# KiCad board Plume.kicad_pcb (continued)
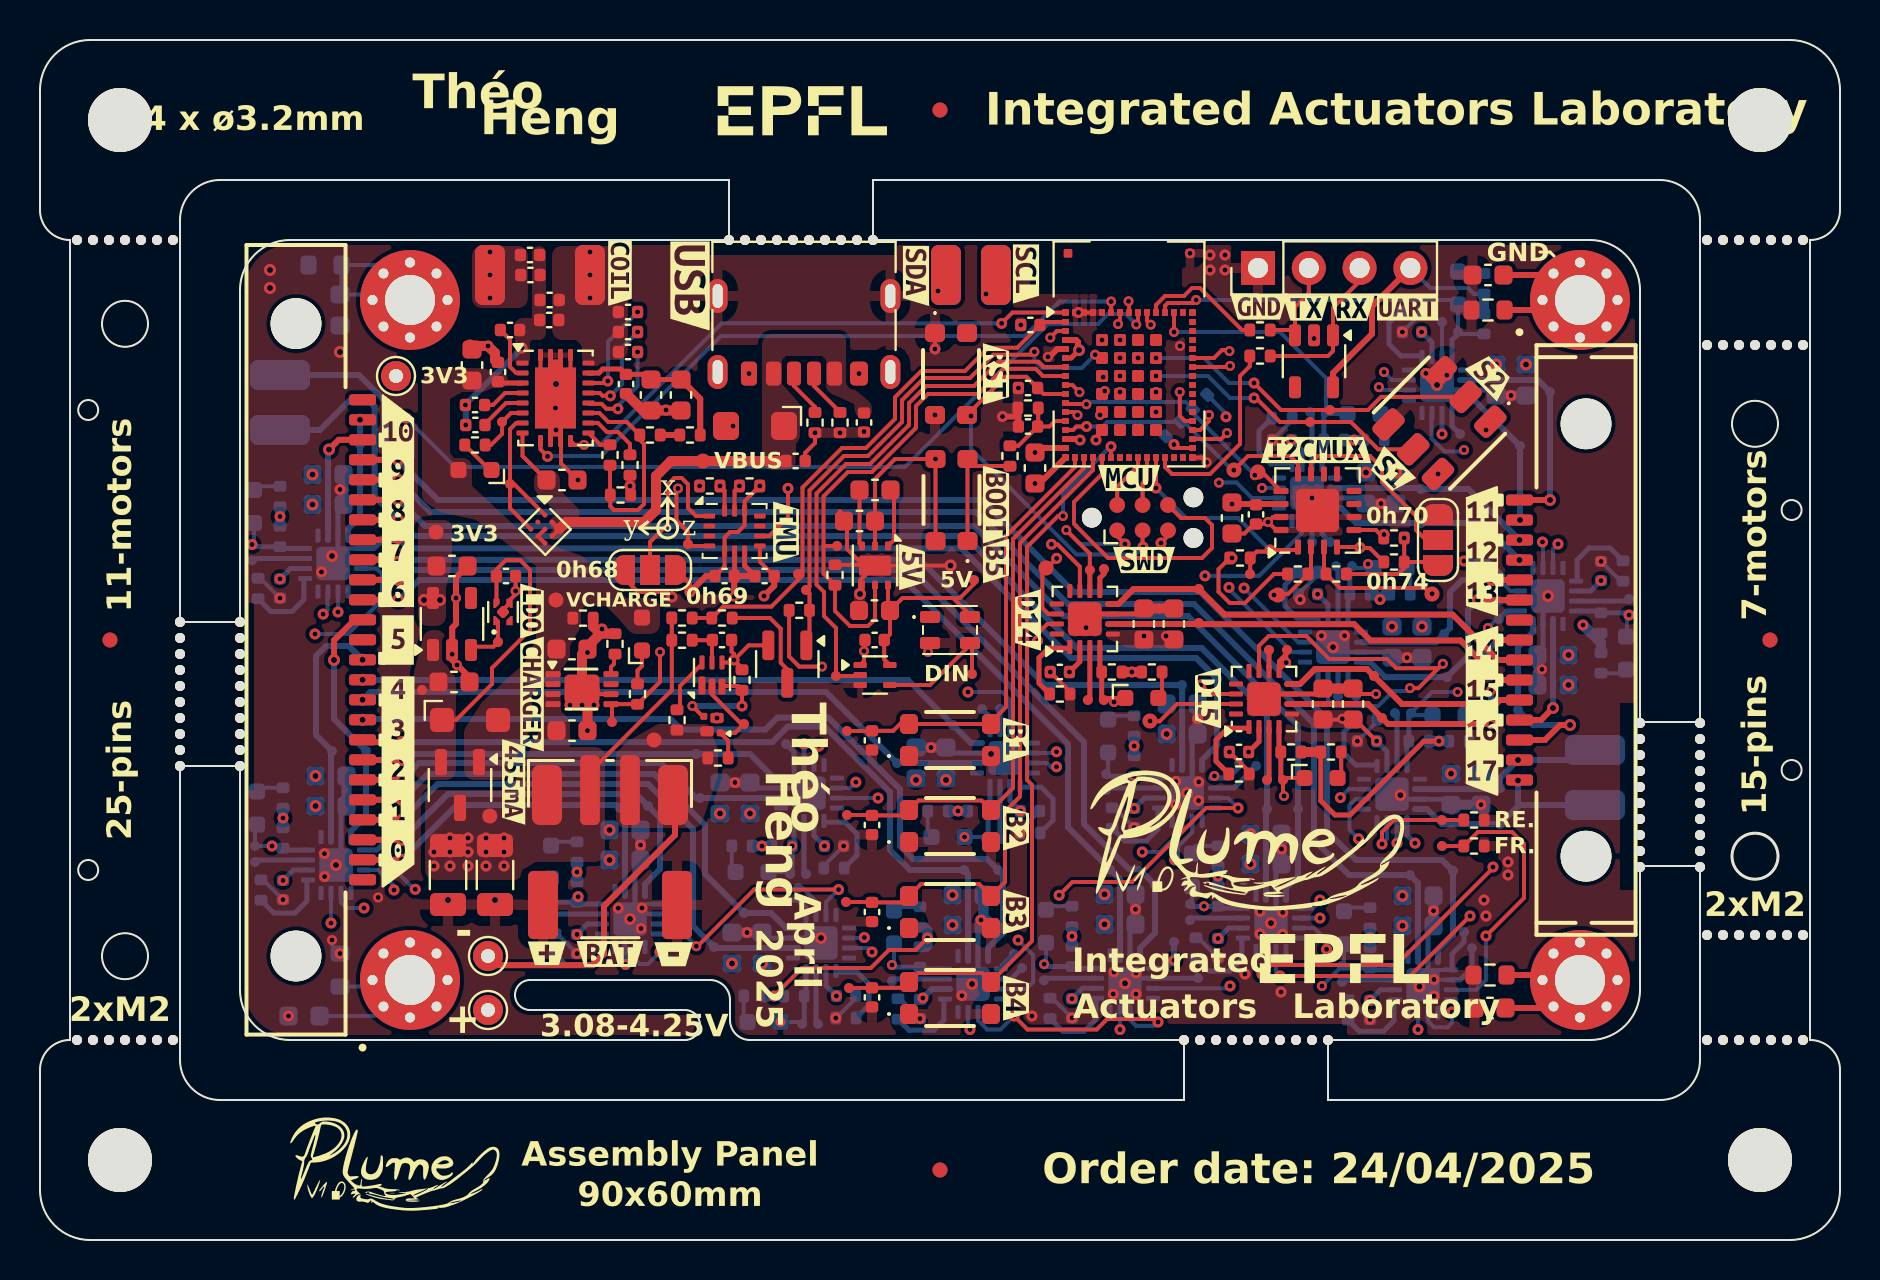
[diagram p0: board, top side]
## Routing (per net, layer and track width the routed paths; a pad name or vN(x,y) marks a point on that pad's centre or on a via; arc(x,y) is an arc through that point) (continued)
/Project Architecture/Misc - Mounting Holes & Fiducials/HOLE2: length 8.3
  L1 (Sig, PWR) w0.3: R3002.1 76.5,46.5 H3002.1 75.75,48.25 C3002.1
/Project Architecture/Misc - Mounting Holes & Fiducials/HOLE3: length 8.1
  L1 (Sig, PWR) w0.3: C3003.1 75.6,11.6 H3003.1 76.75,13.25 R3003.1
/Project Architecture/Misc - Mounting Holes & Fiducials/HOLE4: length 8.9
  L8 (Sig, PWR) w0.2: C3004.1 16.7,11.2 H3004.1 18.17,12.67 R3004.1
/Project Architecture/Motor Control - Drivers/Motor Control - Driver 0/FAULT_LED: length 1.4
  L8 (Sig, PWR) w0.2: R1202.2 25.74,19.91 LED1201.2
/Project Architecture/Motor Control - Drivers/Motor Control - Driver 0/RC_OUT: length 2.6
  L8 (Sig, PWR) w0.25: TP1202.1 25.55,16.3 28.04,16.3
/Project Architecture/Motor Control - Drivers/Motor Control - Driver 1/A0: length 1.8
  L8 (Sig, PWR) w0.2: 38.8,16.31 38.8,16.93 38.13,17.6 TP1305.1
/Project Architecture/Motor Control - Drivers/Motor Control - Driver 1/FAULT_LED: length 1.4
  L8 (Sig, PWR) w0.2: R1302.2 35.19,11.08 35.37,10.9
/Project Architecture/Motor Control - Drivers/Motor Control - Driver 1/RC_OUT: length 2.6
  L8 (Sig, PWR) w0.25: 38.8,13.39 38.8,10.9 TP1302.1
/Project Architecture/Motor Control - Drivers/Motor Control - Driver 2/FAULT_LED: length 1.4
  L8 (Sig, PWR) w0.2: 34.77,18.4 34.59,18.58 R1402.2
/Project Architecture/Motor Control - Drivers/Motor Control - Driver 2/RC_OUT: length 2.6
  L8 (Sig, PWR) w0.25: TP1402.1 38.2,18.4 38.2,20.89
/Project Architecture/Motor Control - Drivers/Motor Control - Driver 3/A1: length 1.1
  L8 (Sig, PWR) w0.25: 48.8,14.3 TP1506.1 48.11,13.71 48.11,13.55
/Project Architecture/Motor Control - Drivers/Motor Control - Driver 3/FAULT_LED: length 1.4
  L8 (Sig, PWR) w0.2: R1502.2 42.88,16.66 42.7,16.48
/Project Architecture/Motor Control - Drivers/Motor Control - Driver 3/RC_OUT: length 2.6
  L8 (Sig, PWR) w0.25: 45.19,13.05 42.7,13.05 TP1502.1
/Project Architecture/Motor Control - Drivers/Motor Control - Driver 4/A0: length 1
  L8 (Sig, PWR) w0.25: 48,25.56 TP1605.1
/Project Architecture/Motor Control - Drivers/Motor Control - Driver 4/A1: length 1.2
  L8 (Sig, PWR) w0.25: 47.5,25.56 47.5,26.15 TP1606.1
/Project Architecture/Motor Control - Drivers/Motor Control - Driver 4/FAULT_LED: length 1.4
  L8 (Sig, PWR) w0.2: LED1601.2 44.39,20.33 R1602.2
/Project Architecture/Motor Control - Drivers/Motor Control - Driver 4/RC_OUT: length 2.6
  L8 (Sig, PWR) w0.25: TP1602.1 48,20.15 48,22.64
/Project Architecture/Motor Control - Drivers/Motor Control - Driver 5/A1: length 1.2
  L8 (Sig, PWR) w0.25: TP1706.1 16.85,19.5 16.26,19.5
/Project Architecture/Motor Control - Drivers/Motor Control - Driver 5/FAULT_LED: length 1.4
  L8 (Sig, PWR) w0.2: 10.85,22.43 11.03,22.61 R1702.2
/Project Architecture/Motor Control - Drivers/Motor Control - Driver 5/RC_OUT: length 2.6
  L8 (Sig, PWR) w0.25: 13.34,19 10.85,19 TP1702.1
/Project Architecture/Motor Control - Drivers/Motor Control - Driver 6/FAULT_LED: length 1.4
  L8 (Sig, PWR) w0.2: LED1801.2 50.48,16.69 R1802.2
/Project Architecture/Motor Control - Drivers/Motor Control - Driver 6/RC_OUT: length 2.6
  L8 (Sig, PWR) w0.25: 52.79,13.08 50.3,13.08 TP1802.1
/Project Architecture/Motor Control - Drivers/Motor Control - Driver 7/A0: length 2.4
  L8 (Sig, PWR) w0.25: 58.81,22.6 59.7,22.6 TP1905.1
/Project Architecture/Motor Control - Drivers/Motor Control - Driver 7/FAULT_LED: length 1.4
  L8 (Sig, PWR) w0.2: LED1901.2 53.59,26.21 R1902.2
/Project Architecture/Motor Control - Drivers/Motor Control - Driver 7/RC_OUT: length 2.6
  L8 (Sig, PWR) w0.25: TP1902.1 53.41,22.6 55.9,22.6
/Project Architecture/Motor Control - Drivers/Motor Control - Driver 8/FAULT_LED: length 1.4
  L8 (Sig, PWR) w0.2: 57.6,19.52 57.78,19.71 R2002.2
/Project Architecture/Motor Control - Drivers/Motor Control - Driver 8/RC_OUT: length 2.6
  L8 (Sig, PWR) w0.25: 60.09,16.1 57.6,16.1 TP2002.1
/Project Architecture/Motor Control - Drivers/Motor Control - Driver 9/FAULT_LED: length 1.4
  L8 (Sig, PWR) w0.2: R2102.2 65.38,16.62 LED2101.2
/Project Architecture/Motor Control - Drivers/Motor Control - Driver 9/RC_OUT: length 2.6
  L8 (Sig, PWR) w0.25: 67.69,13.01 65.2,13.01 TP2102.1
/Project Architecture/Motor Control - Drivers/Motor Control - Driver 10/A0: length 1
  L8 (Sig, PWR) w0.25: 16.11,34.08 TP2205.1
/Project Architecture/Motor Control - Drivers/Motor Control - Driver 10/FAULT_LED: length 1.4
  L8 (Sig, PWR) w0.2: R2202.2 10.88,37.69 LED2201.2
/Project Architecture/Motor Control - Drivers/Motor Control - Driver 10/RC_OUT: length 2.6
  L8 (Sig, PWR) w0.25: 13.19,34.08 10.7,34.08 TP2202.1
/Project Architecture/Motor Control - Drivers/Motor Control - Driver 11/FAULT_LED: length 1.3
  L8 (Sig, PWR) w0.2: R2302.2 71.01,48.32 LED2301.2
/Project Architecture/Motor Control - Drivers/Motor Control - Driver 11/RC_OUT: length 1.7
  L8 (Sig, PWR) w0.2: TP2302.1 70.1,44.21
/Project Architecture/Motor Control - Drivers/Motor Control - Driver 12/A1: length 1.2
  L8 (Sig, PWR) w0.25: 64.1,35.89 64.1,35.3 TP2406.1
/Project Architecture/Motor Control - Drivers/Motor Control - Driver 12/FAULT_LED: length 1.4
  L8 (Sig, PWR) w0.2: R2402.2 67.21,41.11 67.03,41.3
/Project Architecture/Motor Control - Drivers/Motor Control - Driver 12/RC_OUT: length 2.6
  L8 (Sig, PWR) w0.25: TP2402.1 63.6,41.3 63.6,38.81
/Project Architecture/Motor Control - Drivers/Motor Control - Driver 13/A0: length 1
  L8 (Sig, PWR) w0.25: 64.9,28.18 TP2505.1
/Project Architecture/Motor Control - Drivers/Motor Control - Driver 13/A1: length 1.2
  L8 (Sig, PWR) w0.25: TP2506.1 65.4,27.59 65.4,28.18
/Project Architecture/Motor Control - Drivers/Motor Control - Driver 13/FAULT_LED: length 1.4
  L8 (Sig, PWR) w0.2: LED2501.2 68.51,33.41 R2502.2
/Project Architecture/Motor Control - Drivers/Motor Control - Driver 13/RC_OUT: length 2.6
  L8 (Sig, PWR) w0.25: TP2502.1 64.9,33.59 64.9,31.1
/Project Architecture/Motor Control - Drivers/Motor Control - Driver 14/A1: length 1.1
  L1 (Sig, PWR) w0.25: 52.99,32.51 52.99,33.1 53.2,33.31 TP2606.1
/Project Architecture/Motor Control - Drivers/Motor Control - Driver 14/FAULT_LED: length 1.4
  L1 (Sig, PWR) w0.2: LED2601.2 56.1,27.28 R2602.2
/Project Architecture/Motor Control - Drivers/Motor Control - Driver 14/RC_OUT: length 2.6
  L1 (Sig, PWR) w0.25: 52.49,29.59 52.49,27.1 TP2602.1
/Project Architecture/Motor Control - Drivers/Motor Control - Driver 15/FAULT_LED: length 1.4
  L1 (Sig, PWR) w0.2: 64.88,23.1 65.06,23.28 R2702.2
/Project Architecture/Motor Control - Drivers/Motor Control - Driver 15/RC_OUT: length 2.6
  L1 (Sig, PWR) w0.25: TP2702.1 61.45,23.1 61.45,25.59
/Project Architecture/Motor Control - Drivers/Motor Control - Driver 16/A0: length 1
  L8 (Sig, PWR) w0.25: 73.94,31.95 TP2805.1
/Project Architecture/Motor Control - Drivers/Motor Control - Driver 16/FAULT_LED: length 1.4
  L8 (Sig, PWR) w0.2: 79.35,28.52 79.16,28.34 R2802.2
/Project Architecture/Motor Control - Drivers/Motor Control - Driver 16/RC_OUT: length 2.6
  L8 (Sig, PWR) w0.25: TP2802.1 79.35,31.95 76.86,31.95
/Project Architecture/Motor Control - Drivers/Motor Control - Driver 17/FAULT_LED: length 1.4
  L8 (Sig, PWR) w0.2: 71.28,26.24 71.46,26.06 R2902.2
/Project Architecture/Motor Control - Drivers/Motor Control - Driver 17/RC_OUT: length 2.6
  L8 (Sig, PWR) w0.25: 67.85,23.75 67.85,26.24 TP2902.1
/Project Architecture/Motor Control - Drivers/OUT1_0: length 18.6
  L1 (Sig, PWR) w0.3: v3(18.1,19.01) J1101.2
  L8 (Sig, PWR) w0.3: 29.25,17.2 29.25,21.35 TP1203.1 28.85,21.75 20.84,21.75 v3(18.1,19.01)
/Project Architecture/Motor Control - Drivers/OUT1_1: length 28.8
  L1 (Sig, PWR) w0.3: v3(18.1,21.01) J1101.4
  L8 (Sig, PWR) w0.3: v3(18.1,21.01) 19.89,22.8 30.4,22.8 32.65,20.55 32.65,15.7 TP1303.1 33.7,14.6 37.9,14.6
/Project Architecture/Motor Control - Drivers/OUT1_2: length 22.2
  L1 (Sig, PWR) w0.3: v3(18.1,23.01) J1101.6
  L8 (Sig, PWR) w0.3: v3(18.1,23.01) 18.94,23.85 31.05,23.85 32.8,22.1 TP1403.1 37.3,22.1
/Project Architecture/Motor Control - Drivers/OUT1_3: length 39.8
  L1 (Sig, PWR) w0.3: v3(18.1,24.89) 16.24,24.89 J1101.8
  L8 (Sig, PWR) w0.3: TP1503.1 43.5,18.5 42.5,19.5 42.5,22.4 39.23,25.67 37.39,25.67 36.61,24.89 v3(18.1,24.89) ; TP1503.1 46.4,18.3 46.4,13.95 ; TP1503.1 46.15,18.45
/Project Architecture/Motor Control - Drivers/OUT1_4: length 32.6
  L8 (Sig, PWR) w0.3: 47.1,23.85 TP1603.1 39.3,27.4 16.52,27.4 v3(16.13,27.01)
/Project Architecture/Motor Control - Drivers/OUT1_5: length 12.5
  L8 (Sig, PWR) w0.3: 14.55,19.9 14.55,24.4 TP1703.1 13.8,25.25 13.8,29.2 14.3,29.7 15.44,29.7 v3(16.13,29.01)
/Project Architecture/Motor Control - Drivers/OUT1_6: length 51
  L1 (Sig, PWR) w0.3: v3(17.9,32.01) J1101.15
  L8 (Sig, PWR) w0.3: 54,14 54,18.03 TP1803.1 51.4,20.63 51.4,24.8 43.2,33 18.95,33 17.96,32.01 v3(17.9,32.01)
/Project Architecture/Motor Control - Drivers/OUT1_7: length 47.9
  L1 (Sig, PWR) w0.3: v3(17.9,33.9) 17.79,34.01 J1101.17
  L8 (Sig, PWR) w0.3: v3(17.9,33.9) 18.01,34.01 43.99,34.01 50.25,27.75 TP1903.1 57.11,27.74 57.11,23.5
/Project Architecture/Motor Control - Drivers/OUT1_8: length 70.2
  L1 (Sig, PWR) w0.3: v3(17.9,36.01) J1101.19
  L8 (Sig, PWR) w0.3: 61.3,17 61.3,21.5 ; TP2003.1 61.35,26.34 58.09,29.6 51.84,29.6 46.24,35.2 18.7,35.2 17.9,36 v3(17.9,36.01) 16.73,37.18 16.73,41.67 16.3,42.1 15.6,42.1 14,40.5 J1103.1
/Project Architecture/Motor Control - Drivers/OUT1_9: length 68.5
  L1 (Sig, PWR) w0.3: v3(17.9,38.01) J1101.21
  L8 (Sig, PWR) w0.3: 68.9,13.9 68.9,17.85 TP2103.1 65.45,18.25 63.7,20 63.7,25.8 57.7,31.8 51.4,31.8 46.8,36.4 19.51,36.4 v3(17.9,38.01)
/Project Architecture/Motor Control - Drivers/OUT1_10: length 6.4
  L1 (Sig, PWR) w0.3: J1101.23 14.93,40.01 v3(14.45,39.53)
  L8 (Sig, PWR) w0.3: 14.4,35 14.4,39.48 v3(14.45,39.53)
/Project Architecture/Motor Control - Drivers/OUT1_11: length 11.7
  L1 (Sig, PWR) w0.3: v3(75.5,37) J1104.1
  L8 (Sig, PWR) w0.3: v3(75.5,37) TP2303.1 74.9,43 71,43
/Project Architecture/Motor Control - Drivers/OUT1_12: length 10.6
  L8 (Sig, PWR) w0.3: 64.5,37.6 69,37.6 TP2403.1 71.42,37.55 v3(73.97,35)
/Project Architecture/Motor Control - Drivers/OUT1_13: length 10.2
  L1 (Sig, PWR) w0.3: v3(72.6,33) J1104.5
  L8 (Sig, PWR) w0.3: 66.11,29.89 69.79,29.89 TP2503.1 70.5,30.6 70.5,32.4 71.1,33 v3(72.6,33)
/Project Architecture/Motor Control - Drivers/OUT1_14: length 22.4
  L1 (Sig, PWR) w0.3: 53.4,30.8 57.89,30.8 TP2603.1 58,30.79 65.71,30.79 66.52,29.98 71.02,29.98 v2(72.26,28.74) ; v2(72.9,30) J1104.8
  L8 (Sig, PWR) w0.3: v2(72.9,30) 72.26,29.36 v2(72.26,28.74)
/Project Architecture/Motor Control - Drivers/OUT1_15: length 13.9
  L1 (Sig, PWR) w0.3: v2(72.55,27.47) 73.08,28 J1104.10 ; 62.35,26.8 66.4,26.8 TP2703.1 67.4,25.8 v2(72.55,25.8)
  L8 (Sig, PWR) w0.3: v2(72.55,25.8) v2(72.55,27.47)
/Project Architecture/Motor Control - Drivers/OUT1_16: length 6.4
  L1 (Sig, PWR) w0.3: J1104.12 75.05,26 v3(75.65,26.6)
  L8 (Sig, PWR) w0.3: v3(75.65,26.6) 75.65,31.05
/Project Architecture/Motor Control - Drivers/OUT1_17: length 10.3
  L8 (Sig, PWR) w0.3: J1106.1 77.75,24.25 77.5,24 v3(73.9,24) 73.9,24 73,23.1 73,22.61 73.01,22.6 TP2903.1 72.94,22.54 68.75,22.54
/Project Architecture/Motor Control - Drivers/OUT2_0: length 20.5
  L1 (Sig, PWR) w0.3: v3(18.1,20.01) J1101.3
  L8 (Sig, PWR) w0.3: 30.25,17.2 30.25,17.8 31,18.55 31,21.1 TP1204.1 29.8,22.3 20.39,22.3 v3(18.1,20.01)
/Project Architecture/Motor Control - Drivers/OUT2_1: length 26.9
  L1 (Sig, PWR) w0.3: v3(18.1,22.01) J1101.5
  L8 (Sig, PWR) w0.3: 37.9,15.6 37.3,15.6 36.55,16.35 TP1304.1 33.25,18.3 33.25,20.75 30.7,23.3 19.39,23.3 v3(18.1,22.01)
/Project Architecture/Motor Control - Drivers/OUT2_2: length 21.8
  L1 (Sig, PWR) w0.3: J1101.7 16.14,24 v3(18.1,24)
  L8 (Sig, PWR) w0.3: 37.3,23.1 36.7,23.1 35.5,24.3 TP1404.1 32.8,24.3 18.4,24.3 v3(18.1,24)
/Project Architecture/Motor Control - Drivers/OUT2_3: length 42
  L8 (Sig, PWR) w0.3: v3(16.13,26.01) 16.16,26.05 31.53,26.05 32.05,25.52 36.27,25.52 36.87,26.12 39.41,26.12 43,22.54 43,19.7 43.65,19.05 47.35,19.05 TP1504.1 48.15,18.25 48.15,15.35 47.4,14.6 47.4,13.95
/Project Architecture/Motor Control - Drivers/OUT2_4: length 32.3
  L8 (Sig, PWR) w0.3: 47.1,24.85 46.55,24.85 TP1604.1 43.4,28 16.14,28 v3(16.13,28.01)
/Project Architecture/Motor Control - Drivers/OUT2_5: length 12.9
  L1 (Sig, PWR) w0.3: J1101.14 15.73,31.01 14.7,29.98 v3(14.7,29)
  L8 (Sig, PWR) w0.3: v3(14.7,29) 14.7,26.05 TP1704.1 16.3,21.2 15.55,20.45 15.55,19.9
/Project Architecture/Motor Control - Drivers/OUT2_6: length 52.8
  L1 (Sig, PWR) w0.3: v3(17.9,33.01) J1101.16
  L8 (Sig, PWR) w0.3: v3(17.9,33.01) 18.39,33.5 43.6,33.5 52.2,24.9 52.2,20.8 54.47,18.53 54.97,18.53 TP1804.1 55.75,15.35 55,14.6 55,14
/Project Architecture/Motor Control - Drivers/OUT2_7: length 50.7
  L1 (Sig, PWR) w0.3: v3(17.9,35.1) 17.84,35.1 17.75,35.01 J1101.18
  L8 (Sig, PWR) w0.3: 58.11,23.5 58.11,24.01 58.86,24.76 TP1904.1 57.81,29.1 51.55,29.1 46.07,34.58 18.42,34.58 v3(17.9,35.1) 17.9,35.16 17.94,35.2 17.94,35.16
/Project Architecture/Motor Control - Drivers/OUT2_8: length 71.4
  L1 (Sig, PWR) w0.3: v3(17.9,37.01) J1101.20
  L8 (Sig, PWR) w0.3: J1102.1 15.95,43.25 17.3,41.9 17.3,39.9 17.3,37.61 v3(17.9,37.01) 17.94,37.01 19.25,35.7 46.7,35.7 51.2,31.2 57.4,31.2 62.9,25.7 TP2004.1 62.9,18.2 62.3,17.6 62.3,17
/Project Architecture/Motor Control - Drivers/OUT2_9: length 71.2
  L1 (Sig, PWR) w0.3: J1101.22 v3(17.9,39.01)
  L8 (Sig, PWR) w0.3: 69.9,13.9 69.9,14.5 70.65,15.25 TP2104.1 70.11,19 65.8,19 64.35,20.45 64.35,26.05 58,32.4 51.7,32.4 47.1,37 19.9,37 17.9,39 v3(17.9,39.01)
/Project Architecture/Motor Control - Drivers/OUT2_10: length 6.3
  L8 (Sig, PWR) w0.3: 15.4,35 15.4,35.55 16,36.15 TP2204.1 v3(16,41.01)
/Project Architecture/Motor Control - Drivers/OUT2_11: length 7.7
  L8 (Sig, PWR) w0.3: v3(74,36) TP2304.1 71.7,42 71,42
/Project Architecture/Motor Control - Drivers/OUT2_12: length 10.6
  L8 (Sig, PWR) w0.3: v3(73.97,34) 72.12,35.85 TP2404.1 65.8,35.85 65.05,36.6 64.5,36.6
/Project Architecture/Motor Control - Drivers/OUT2_13: length 11.1
  L1 (Sig, PWR) w0.3: v3(71.9,32) J1104.6
  L8 (Sig, PWR) w0.3: v3(71.9,32) 71.4,31.5 71.4,29.19 TP2504.1 67.26,28.14 66.51,28.89 66.11,28.89
/Project Architecture/Motor Control - Drivers/OUT2_14: length 22.4
  L1 (Sig, PWR) w0.3: 53.4,31.8 53.93,31.8 54.68,32.55 TP2604.1 59.22,31.27 70.63,31.27 72.9,29 J1104.9
/Project Architecture/Motor Control - Drivers/OUT2_15: length 12.9
  L1 (Sig, PWR) w0.3: J1104.11 73,27 72.8,26.8 68.1,26.8 TP2704.1 66.35,28.55 63.75,28.55 63,27.8 IC2701.8 ; 62.35,27.8 62.76,27.8
/Project Architecture/Motor Control - Drivers/OUT2_16: length 10.6
  L1 (Sig, PWR) w0.3: J1104.13 75.25,25 76,25.75 v3(76.5,25.75)
  L8 (Sig, PWR) w0.3: 74.65,31.05 74.65,30.4 73.9,29.65 TP2804.1 74.65,25.75 v3(76.5,25.75)
/Project Architecture/Motor Control - Drivers/OUT2_17: length 11.1
  L8 (Sig, PWR) w0.3: v3(73.9,22.98) 73.9,21.69 73.85,21.65 ; 68.75,21.54 69.36,21.54 70.11,20.79 TP2904.1 73.85,21.65 ; J1105.1 73.96,21.75 73.85,21.65
/Project Architecture/Power - Battery Management/BAT: length 2.2
  L1 (Sig, PWR) w0.2: R501.2 33.61,29.99 C505.2 33.6,29.98 33.6,28.85
/Project Architecture/Power - Battery Management/CHARGE_LED: length 1.8
  L1 (Sig, PWR) w0.2: R505.1 29.88,28.48 30.1,28.7 LED501.1
/Project Architecture/Power - Battery Management/COUT: length 5.4
  L1 (Sig, PWR) w0.2: R506.1 34.41,24.96 Q502.G1 34.76,25.36 TP501.1 35.07,25.8 33.6,27.28 U501.2
/Project Architecture/Power - Battery Management/DOUT: length 5.1
  L1 (Sig, PWR) w0.2: 34.1,27.7 34.89,27.7 R507.2 v1(35.1,26.7) ; Q502.G2 33.19,26.19 33.18,26.2 33.12,26.2 v2(32.62,26.7)
  L8 (Sig, PWR) w0.3: v2(32.62,26.7) v1(35.1,26.7)
/Project Architecture/Power - Battery Management/PROG: length 1.1
  L1 (Sig, PWR) w0.2: U502.8 28.55,28.65 28.7,28.8 28.7,29.24 R508.1
/Project Architecture/Power - Battery Management/V-: length 3.1
  L1 (Sig, PWR) w0.2: R504.1 32,26.66 32,27.7 33.1,28.8 33.1,29.1
/Project Architecture/Power - Wireless Receiver & USB/+VCHARGE: length 2.4
  L1 (Sig, PWR) w0.2: Q601.5 Q601.8 Q601.9
  L1 (Sig, PWR) w0.25: 22.75,43.02 22.92,42.85 U601.4
/Project Architecture/Power - Wireless Receiver & USB/AC1: length 5
  L8 (Sig, PWR) w0.2: 21.29,41.73 v1(21.27,41.75)
  L8 (Sig, PWR) w0.3: v1(24.1,44.6) 21.27,41.77 v1(21.27,41.75) ; v1(21.29,40.75) 21.29,41.73
/Project Architecture/Power - Wireless Receiver & USB/AC2:
  vias: v1(27.5,49.4) v1(27.5,48.25) v1(27.5,47.1)
/Project Architecture/Power - Wireless Receiver & USB/BOOT1: length 2.8
  L1 (Sig, PWR) w0.2: C609.1 23.5,45.02 23.5,43.66 23.81,43.35 U601.3
/Project Architecture/Power - Wireless Receiver & USB/BOOT2: length 5.1
  L1 (Sig, PWR) w0.2: v1(28.39,42.95) 28.39,42.94 28.3,42.85 U601.17
  L8 (Sig, PWR) w0.2: v1(28.39,42.95) 28.39,42.95 28.35,42.95 28.4,43 28.4,44.92 v1(29.88,46.4)
/Project Architecture/Power - Wireless Receiver & USB/CC1: length 2.5
  L1 (Sig, PWR) w0.2: J602.A5 38.7,42.7 40,41.4 R602.2
/Project Architecture/Power - Wireless Receiver & USB/CC2: length 2.4
  L1 (Sig, PWR) w0.2: J602.B5 37.7,42.7 38.75,41.65 R603.2
/Project Architecture/Power - Wireless Receiver & USB/CLAMP1: length 2.1
  L1 (Sig, PWR) w0.2: U601.5 23.25,42.35 22.65,41.75 C607.1
/Project Architecture/Power - Wireless Receiver & USB/CLAMP2: length 4.9
  L1 (Sig, PWR) w0.2: U601.16 27.99,42.35 28.13,42.21 v1(28.51,42.21)
  L8 (Sig, PWR) w0.2: v1(29.88,45.4) 29.1,44.62 29.1,42.79 v1(28.51,42.21)
/Project Architecture/Power - Wireless Receiver & USB/COIL1:
  vias: v1(22.5,49.4) v1(22.5,48.25) v1(22.5,47.1)
/Project Architecture/Power - Wireless Receiver & USB/COMM1: length 2.4
  L1 (Sig, PWR) w0.2: U601.6 23.3,41.85 22.25,40.8 C608.1
/Project Architecture/Power - Wireless Receiver & USB/COMM2: length 4.8
  L1 (Sig, PWR) w0.2: U601.15 27.47,41.81 28.08,41.81 28.32,41.56 v1(28.89,41.56)
  L8 (Sig, PWR) w0.2: v1(29.88,44.4) 29.88,42.7 28.89,41.71 v1(28.89,41.56)
/Project Architecture/Power - Wireless Receiver & USB/FOD: length 10.5
  L1 (Sig, PWR) w0.2: R604.2 28.5,37.27 R607.1 28.51,36.69 28.7,36.5 29.9,36.5 30.2,36.8 30.2,39.8 29.99,40.01 R606.2 29.34,40.9 28.42,40.9 27.97,41.35 U601.14
/Project Architecture/Power - Wireless Receiver & USB/ILIM: length 1.3
  L1 (Sig, PWR) w0.2: U601.12 28.02,39.76 R604.1
/Project Architecture/Power - Wireless Receiver & USB/RECT: length 8.1
  L1 (Sig, PWR) w0.25: C618.1 C617.1 30.29,43.28 C616.1 29.03,43.55 28.14,43.55 27.94,43.35 U601.18
  L1 (Sig, PWR) w0.3: C618.1 33.01,42.07 R605.1
/Project Architecture/Power - Wireless Receiver & USB/TS/CTRL: length 3
  L1 (Sig, PWR) w0.2: U601.13 27.9,40.85 28.35,40.4 28.9,40.4 29.5,39.8 R608.2
/Project Architecture/Power - Wireless Receiver & USB/~{AD_EN}: length 8.6
  L1 (Sig, PWR) w0.2: Q601.7 23.5,36.59 TP603.1 ; TP603.1 23.5,40.54 23.81,40.85 U601.8 ; TP603.1 23.7,37.8 Q601.1
/Project Architecture/Power - Wireless Receiver & USB/~{CHG}: length 2.9
  L1 (Sig, PWR) w0.2: R601.2 22.55,39.75 23.1,40.3 TP604.1 23.55,41.35 U601.7
/Project Architecture/Sensing - IMU/IMU_ADD: length 8.3
  L1 (Sig, PWR) w0.2: JP1001.2 30.5,34.9 31.4,35.8 31.4,35.8 31.4,37.79 31.71,38.1 32.09,38.1 32.4,37.79 32.4,36.6 32.8,36.2 U1001.1
/Project Architecture/User - RGB LED Indicator/CPUMP+: length 3
  L1 (Sig, PWR) w0.2: C901.1 42.7,37.33 42.7,35 IC902.1
/Project Architecture/User - RGB LED Indicator/CPUMP-: length 2.9
  L1 (Sig, PWR) w0.2: IC902.3 40.97,34.83 C901.2
/Project Architecture/User - RGB LED Indicator/DIN_5V: length 6.5
  L1 (Sig, PWR) w0.2: TP903.1 46.6,29.85 44.5,27.75 IC901.4
Net-(IC1201-IPROPI): length 3.8
  L8 (Sig, PWR) w0.25: R1201.1 26.28,13.76 27.56,13.76 28.04,14.24 28.04,15.3
Net-(IC1301-IPROPI): length 3.9
  L8 (Sig, PWR) w0.25: 39.8,13.39 40.86,13.39 41.45,12.8 41.45,11.74 R1301.1
Net-(IC1401-IPROPI): length 3.9
  L8 (Sig, PWR) w0.25: R1401.1 40.85,19.24 40.85,20.3 40.26,20.89 39.2,20.89
Net-(IC1501-IPROPI): length 3.8
  L8 (Sig, PWR) w0.25: 45.19,12.05 45.19,10.99 44.69,10.49 43.45,10.49 R1501.1
Net-(IC1601-IPROPI): length 3.9
  L8 (Sig, PWR) w0.25: R1601.1 50.65,20.99 50.65,22.05 50.06,22.64 49,22.64
Net-(IC1701-IPROPI): length 3.9
  L8 (Sig, PWR) w0.25: R1701.1 11.69,16.35 12.75,16.35 13.34,16.94 13.34,18
Net-(IC1801-IPROPI): length 3.9
  L8 (Sig, PWR) w0.25: R1801.1 51.14,10.43 52.2,10.43 52.79,11.03 52.79,12.08
Net-(IC1901-IPROPI): length 3.9
  L8 (Sig, PWR) w0.25: 55.9,21.6 55.9,20.54 55.31,19.95 54.25,19.95 R1901.1
Net-(IC2001-IPROPI): length 3.9
  L8 (Sig, PWR) w0.25: R2001.1 58.44,13.45 59.5,13.45 60.09,14.04 60.09,15.1
Net-(IC2101-IPROPI): length 3.8
  L8 (Sig, PWR) w0.25: R2101.1 65.96,10.44 67.18,10.44 67.69,10.95 67.69,12.01
Net-(IC2201-IPROPI): length 3.9
  L8 (Sig, PWR) w0.25: 13.19,33.08 13.19,32.02 12.6,31.43 11.54,31.43 R2201.1
Net-(IC2301-IPROPI): length 3.9
  L8 (Sig, PWR) w0.25: 68.09,46.5 67.45,45.86 67.45,44.8 68.04,44.21 69.1,44.21
Net-(IC2401-IPROPI): length 3.9
  L8 (Sig, PWR) w0.25: 62.6,38.81 61.54,38.81 60.95,39.4 60.95,40.46 R2401.1
Net-(IC2501-IPROPI): length 3.9
  L8 (Sig, PWR) w0.25: R2501.1 62.25,32.75 62.25,31.69 62.84,31.1 63.9,31.1
Net-(IC2601-IPROPI): length 3.8
  L1 (Sig, PWR) w0.25: R2601.1 49.95,27.83 49.95,29.11 50.43,29.59 51.49,29.59
Net-(IC2701-IPROPI): length 3.9
  L1 (Sig, PWR) w0.25: 60.45,25.59 59.39,25.59 58.8,25 58.8,23.94 R2701.1
Net-(IC2801-IPROPI): length 3.9
  L8 (Sig, PWR) w0.25: R2801.1 78.51,34.6 77.45,34.6 76.86,34.01 76.86,32.95
Net-(IC2901-IPROPI): length 3.9
  L8 (Sig, PWR) w0.25: R2901.1 65.2,25.4 65.2,24.34 65.79,23.75 66.85,23.75
Net-(LED601-K): length 1.9
  L1 (Sig, PWR) w0.2: R601.1 22.49,38.5 LED601.1
Net-(Q501-D): length 5.5
  L1 (Sig, PWR) w0.2: Q501.3 37.37,28.53 37.04,28.86 37.04,30.56 36.5,31.1 R503.2
Net-(R605-Pad2): length 1
  L1 (Sig, PWR) w0.3: R605.2 R606.1
unconnected-(U401A-PB11-Pad46): length 0.1
  L1 (Sig, PWR) w0.2: 57.66,45.86 U401.46

## Copper pours and planes (outline as drawn; the poured copper is in the pictures)
+3V3 on L1 (Sig, PWR): 18.9,30.7 20.3,30.7 20.3,32.6 20.6,33.8 20.6,36 18.9,36
+3V3 on L4 (PWR): 19.5,31.3 18.7,31.3 18.7,33.3 19.5,33.3 19.5,50 80,50 80,45.5 67,45.5 61,41 61,37.5 63.5,36 70,36 70,33 62,33 60.8,31.2 49.75,31.2 48,28.5 48,24.5 19.5,24.5
+VBUS on L1 (Sig, PWR): 40.8,41.1 41.6,41.1 41.6,41.8 40.3,42.9 40.3,45.3 36.1,45.3 36.1,38.5 37.8,38.5 37.8,39.8 38,40.1 38,41.8 37.1,42.81 37.1,44 37.3,44.2 39.1,44.2 39.3,44 39.3,42.53 39.6,42.3 40.7,41.8
+VBUS on L1 (Sig, PWR): 24.7,38.5 24.7,37.5 25.85,36.35 25.35,35.85 25.65,35.55 25.35,35.25 25.7,34.9 27.2,36.3 26,37.5 26,38.5
/Project Architecture/Power - Battery Management/+VBAT on L1 (Sig, PWR): 53.29,30.5 57.19,30.5 57.19,29.6 54.39,29.6 53.29,30.1
/Project Architecture/Power - Battery Management/+VBAT on L1 (Sig, PWR): 62.25,26.5 66.15,26.5 66.15,25.6 63.35,25.6 62.25,26.1
/Project Architecture/Power - Battery Management/+VBAT on L1 (Sig, PWR): 24.8,18.9 24.1,18.5 24,18 19.25,18 19.25,22.5 23.5,22.5 25,25.5 25,27.5 26.05,27.5 26.05,26.45 26.5,26 26.5,24.65 28.25,24.65 28.25,18.9
/Project Architecture/Power - Battery Management/+VBAT on L8 (Sig, PWR): 75.95,31.15 75.95,27.25 76.85,27.25 76.85,30.05 76.35,31.15
/Project Architecture/Power - Battery Management/+VBAT on L8 (Sig, PWR): 68.65,22.84 72.55,22.84 72.55,23.74 69.75,23.74 68.65,23.24
/Project Architecture/Power - Battery Management/+VBAT on L8 (Sig, PWR): 46.1,13.85 46.1,17.75 45.2,17.75 45.2,14.95 45.7,13.85
/Project Architecture/Power - Battery Management/+VBAT on L8 (Sig, PWR): 37.4,21.8 33.5,21.8 33.5,20.9 36.3,20.9 37.4,21.4
/Project Architecture/Power - Battery Management/+VBAT on L8 (Sig, PWR): 14.1,34.88 14.1,38.78 13.2,38.78 13.2,35.98 13.7,34.88
/Project Architecture/Power - Battery Management/+VBAT on L8 (Sig, PWR): 68.6,13.81 68.6,17.71 67.7,17.71 67.7,14.91 68.2,13.81
/Project Architecture/Power - Battery Management/+VBAT on L8 (Sig, PWR): 28.95,17.1 28.95,21 28.05,21 28.05,18.2 28.55,17.1
/Project Architecture/Power - Battery Management/+VBAT on L8 (Sig, PWR): 19.4,18.4 19.4,19.7 20.1,20.4 23.5,20.4 23.5,18.4
/Project Architecture/Power - Battery Management/+VBAT on L8 (Sig, PWR): 65.7,30.19 69.6,30.19 69.6,31.09 66.8,31.09 65.7,30.59
/Project Architecture/Power - Battery Management/+VBAT on L8 (Sig, PWR): 53.7,13.88 53.7,17.78 52.8,17.78 52.8,14.98 53.3,13.88
/Project Architecture/Power - Battery Management/+VBAT on L8 (Sig, PWR): 47.2,23.55 43.3,23.55 43.3,22.65 46.1,22.65 47.2,23.15
/Project Architecture/Power - Battery Management/+VBAT on L8 (Sig, PWR): 64.4,37.9 68.3,37.9 68.3,38.8 65.5,38.8 64.4,38.3
/Project Architecture/Power - Battery Management/+VBAT on L8 (Sig, PWR): 70.9,43.3 74.8,43.3 74.8,44.2 72,44.2 70.9,43.7
/Project Architecture/Power - Battery Management/+VBAT on L8 (Sig, PWR): 14.25,19.8 14.25,23.7 13.35,23.7 13.35,20.9 13.85,19.8
/Project Architecture/Power - Battery Management/+VBAT on L8 (Sig, PWR): 61,16.9 61,20.8 60.1,20.8 60.1,18 60.6,16.9
/Project Architecture/Power - Battery Management/+VBAT on L8 (Sig, PWR): 38,14.3 34.1,14.3 34.1,13.4 36.9,13.4 38,13.9
